# Altium PCB ALTAIR_PD_Soldier_V26.1a.PcbDoc (part 1 of 2) (continued)
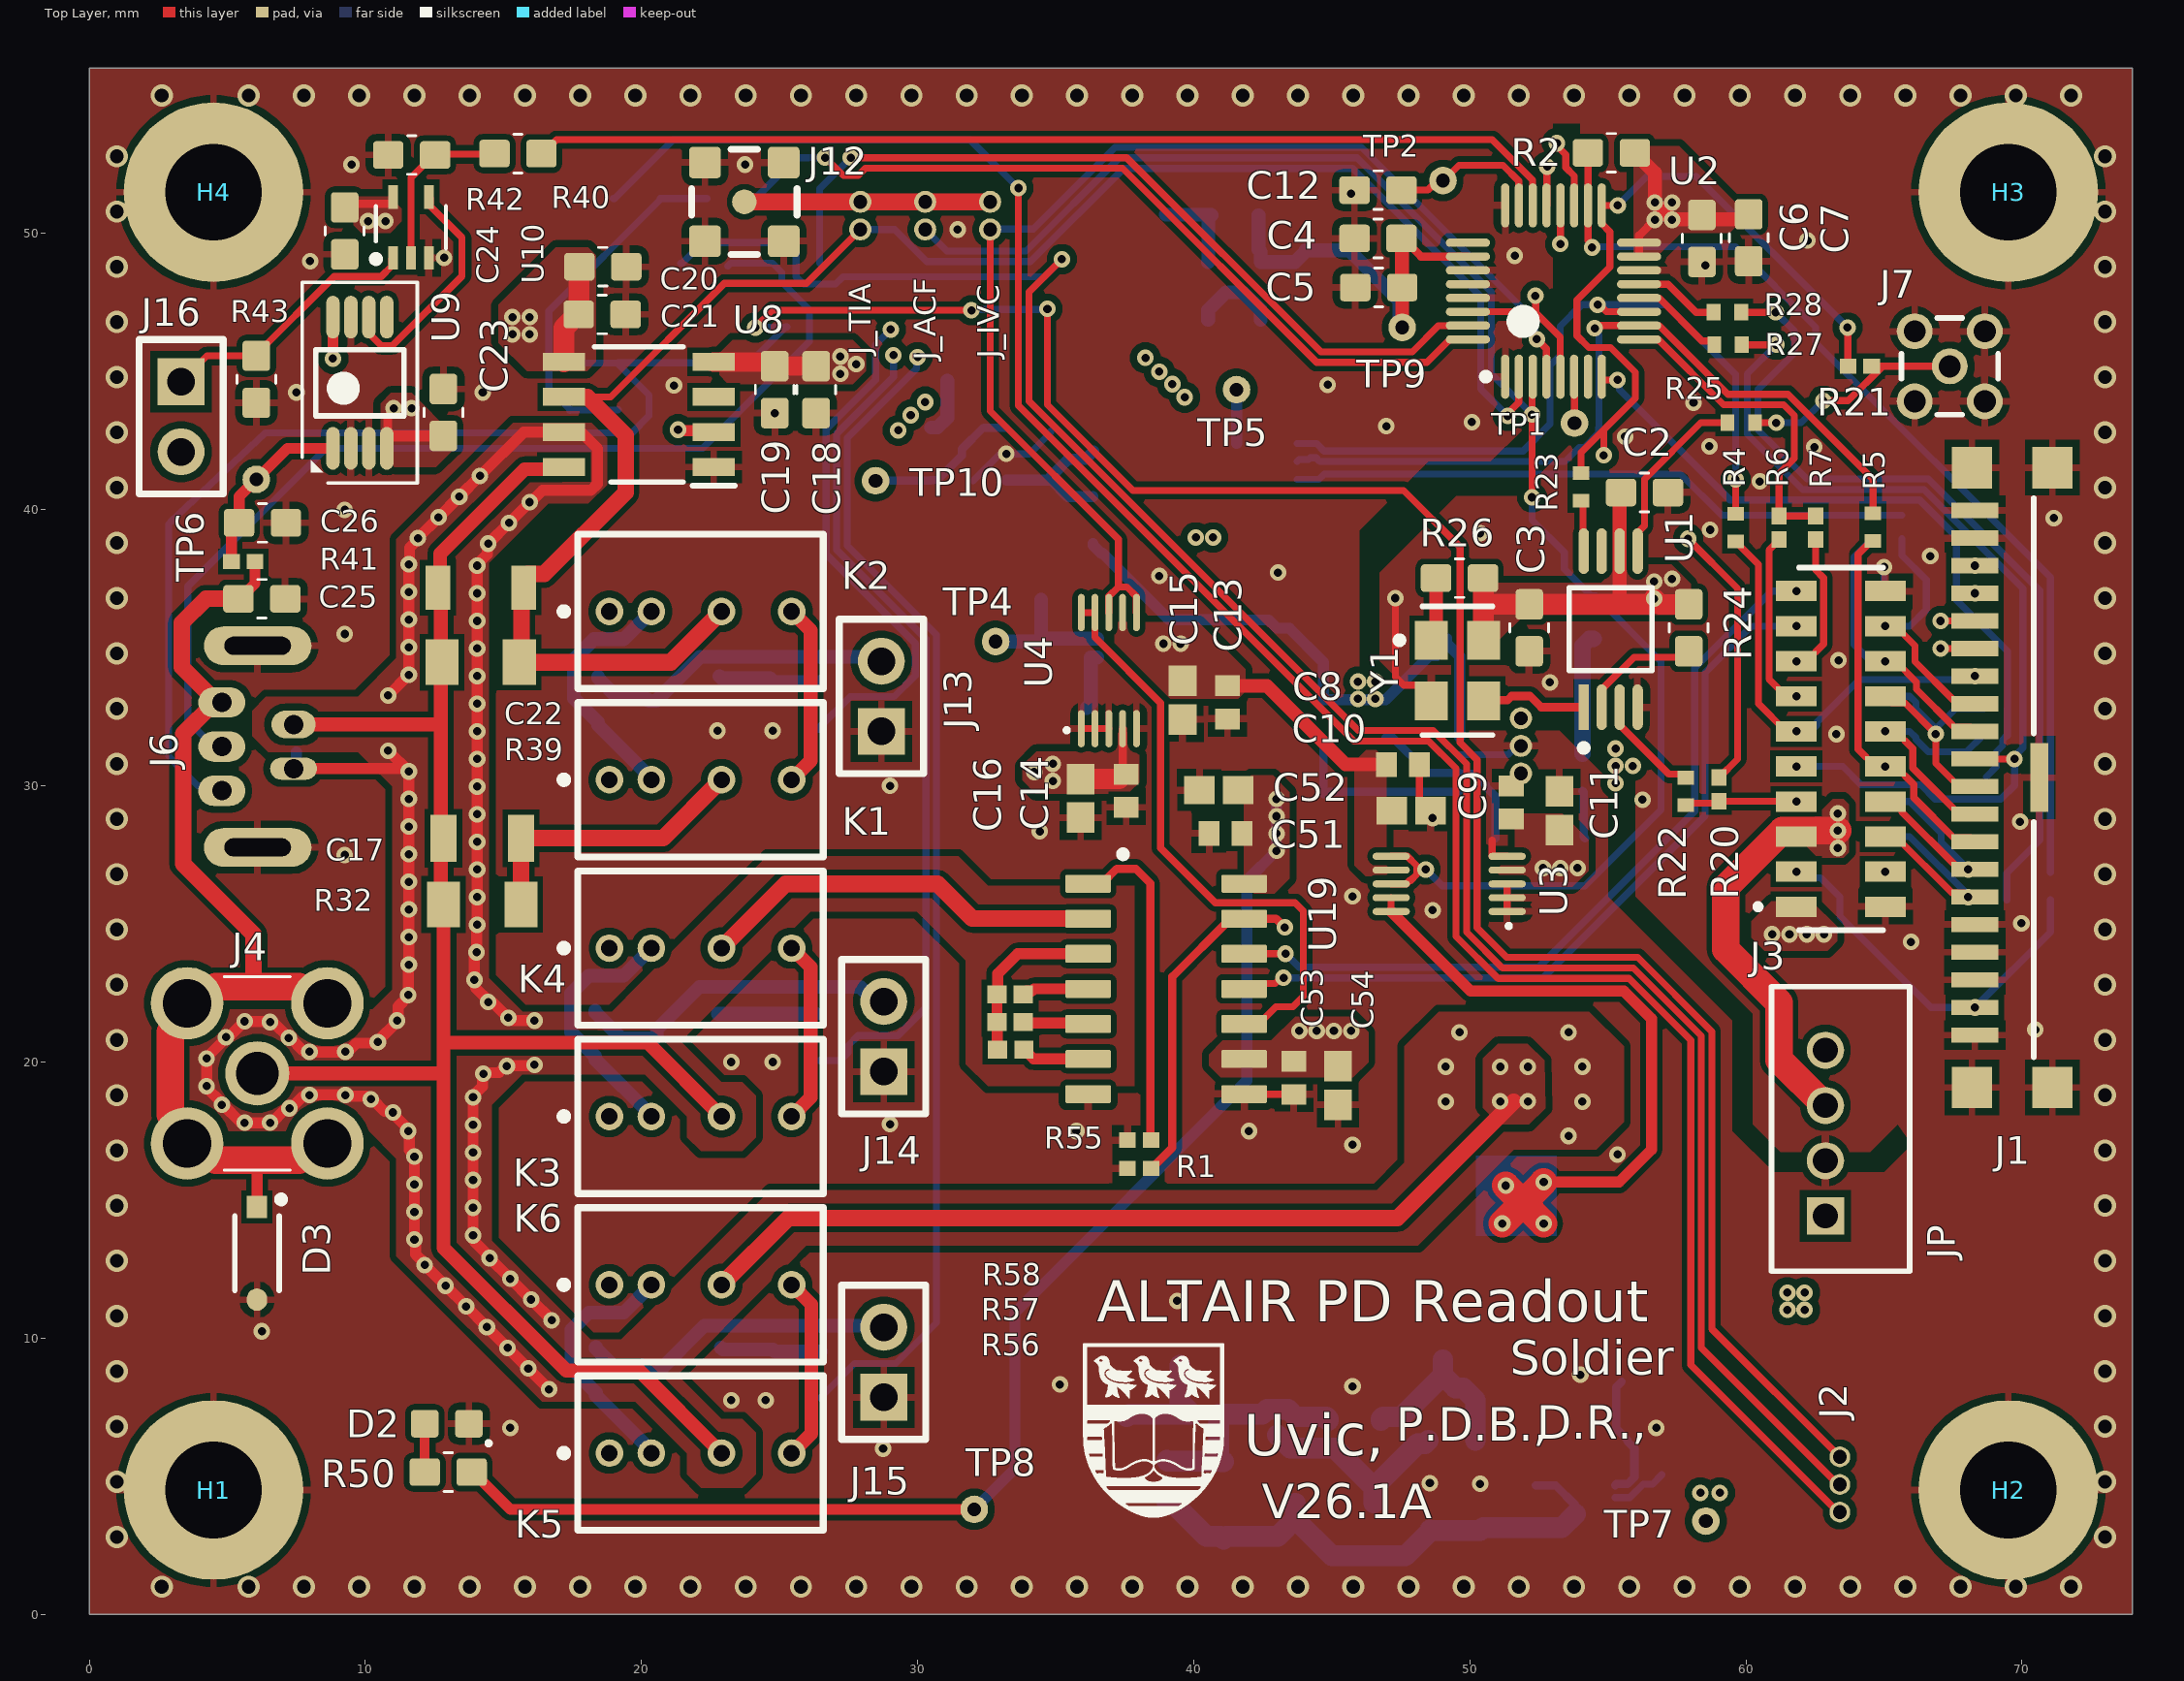
[diagram p0: Top Layer view]
## Components (designator, comment, footprint, x,y, rotation, side; value= is the part's Value field where it differs from the comment) (continued)
JP "440054-4" "HEADER MALE 4x1 2MM PITCH THT" 62.875,14.425 r270 top locked
K1 "118-A-5/2D" 118-A-5/2D 18.838,30.222 r0 top locked
K2 "118-A-5/2D" 118-A-5/2D 18.838,36.318 r0 top locked
K3 "118-A-5/2D" 118-A-5/2D 18.838,18.029 r0 top locked
K4 "118-A-5/2D" 118-A-5/2D 18.838,24.125 r0 top locked
K5 "118-A-5/2D" 118-A-5/2D 18.838,5.837 r0 top locked
K6 "118-A-5/2D" 118-A-5/2D 18.838,11.933 r0 top locked
L1 "10uH" "IND 1210 IPC LOW DENSITY" 50.45,9.225 r180 bottom
L2 "10uH" "IND 1210 IPC LOW DENSITY" 45.1,4.025 r180 bottom
NTC1 "NTC 0603 10K 1%" "RES 0603 IPC MID DENSITY" 17.4,44.45 r270 bottom locked value="NT 10K"
R1 "0R" "RES 0402 IPC MID DENSITY" 38.025,16.15 r0 top
R2 "10k" "RES 0603 IPC MID DENSITY" 55.125,52.925 r180 top
R3 "47R" "RES 0402 NON-IPC SEI" 71.025,26.375 r90 bottom
R4 "47R" "RES 0402 NON-IPC SEI" 59.625,39.35 r90 top
R5 "47R" "RES 0402 NON-IPC SEI" 64.6,39.375 r90 top
R6 "TBD OPT" "RES 0402 IPC MID DENSITY" 61.2,39.35 r90 top
R7 "TBD OPT" "RES 0402 IPC MID DENSITY" 62.525,39.35 r90 top
R8 "0R OPT" "RES 0603 IPC MID DENSITY" 19.825,51.275 r180 bottom
R9 "0R OPT" "RES 0603 IPC MID DENSITY" 22.275,48.925 r180 bottom
R10 "TBD OPT" "RES 0402 IPC MID DENSITY" 64.55,39.375 r90 bottom
R11 "0R OPT" "RES 0603 IPC MID DENSITY" 23.225,51.275 r180 bottom
R12 "0R OPT" "RES 0603 IPC MID DENSITY" 25.6,48.925 r180 bottom
R13 "TBD OPT" "RES 0402 IPC MID DENSITY" 65.65,39.375 r90 bottom
R14 "0R" "RES 0603 IPC MID DENSITY" 26.125,46.625 r0 bottom
R15 "0R OPT" "RES 0402 IPC MID DENSITY" 69.025,25.875 r0 bottom
R16 "0R OPT" "RES 0402 IPC MID DENSITY" 69.025,26.85 r0 bottom
R17 "TBD OPT" "RES 0402 IPC MID DENSITY" 69.025,31.825 r0 bottom
R18 "TBD OPT" "RES 0402 IPC MID DENSITY" 69.05,32.8 r0 bottom
R19 "0R DNP" "RES 0603 IPC MID DENSITY" 68.7,29.475 r270 bottom
R20 "0R B, C" "RES 0402 IPC MID DENSITY" 59.025,29.875 r270 top
R21 "0R A, B" "RES 0402 IPC MID DENSITY" 64.125,45.2 r180 top
R22 "33R" "RES 0402 NON-IPC YAGEO" 57.825,29.8 r90 top
R23 "33R" "RES 0402 NON-IPC YAGEO" 54.025,40.825 r270 top
R24 "10k" "RES 0603 IPC MID DENSITY" 57.925,35.725 r90 top
R25 "33R" "RES 0402 NON-IPC YAGEO" 59.825,43.15 r180 top
R26 "10k" "RES 0603 IPC MID DENSITY" 49.625,37.525 r0 top
R27 "47R" "RES 0402 NON-IPC SEI" 59.35,45.975 r0 top
R28 "47R" "RES 0402 NON-IPC SEI" 59.325,47.15 r0 top
R29 "0R" "RES 0603 IPC MID DENSITY" 18.425,33.1 r270 bottom
R30 "47R" "RES 0603 IPC MID DENSITY" 26.425,32.9 r270 bottom
R31 "100k" "RES 0603 IPC MID DENSITY" 24.8,32.9 r270 bottom
R32 "10k" "RES 1206 IPC MID DENSITY" 14.232,25.705 r0 top
R33 "0R" "RES 0603 IPC MID DENSITY" 18.325,21 r270 bottom
R34 "47R" "RES 0603 IPC MID DENSITY" 26.325,20.9 r270 bottom
R35 "100k" "RES 0603 IPC MID DENSITY" 24.65,20.9 r270 bottom
R36 "0R" "RES 0603 IPC MID DENSITY" 18.35,8.825 r270 bottom
R37 "47R" "RES 0603 IPC MID DENSITY" 26.5,8.675 r270 bottom
R38 "100k" "RES 0603 IPC MID DENSITY" 24.825,8.675 r270 bottom
R39 "1M" "RES 1206 IPC MID DENSITY" 14.175,34.475 r0 top
R40 "47R" "RES 0603 IPC MID DENSITY" 15.525,52.9 r0 top
R41 "TBD" "RES 0402 IPC MID DENSITY" 5.575,38.125 r0 top
R42 "100k" "RES 0603 IPC MID DENSITY" 11.675,52.85 r180 top
R43 "100k" "RES 0603 IPC MID DENSITY" 6.05,44.725 r270 top
R44 "29.4k" "RES 0805 IPC HIGH DENSITY" 39.025,4.825 r270 bottom
R45 "150k" "RES 0603 IPC MID DENSITY" 54.425,6.475 r180 bottom
R46 "1k" "RES 0402 IPC LOW DENSITY YAGEO" 40.425,7.25 r0 bottom
R47 "1k" "RES 1206 NON-IPC VISHAY" 37.575,8.475 r270 bottom
R48 "150k" "RES 0603 IPC MID DENSITY" 44.7,32.275 r90 bottom
R49 "TBD" "RES 0603 IPC MID DENSITY" 41.496,50.671 r0 bottom
R50 "330R" "RES 0603 IPC MID DENSITY" 13,5.15 r0 top
R51 "TBD" "RES 0603 IPC MID DENSITY" 38.146,50.696 r0 bottom
R52 "10k" "RES 0603 IPC MID DENSITY" 44.7,28.85 r90 bottom
R53 "75k" "RES 0603 IPC MID DENSITY" 50.075,28.1 r0 bottom
R54 "TBD" "RES 0603 IPC MID DENSITY" 53.325,28.1 r0 bottom
R55 "0R" "RES 0402 IPC MID DENSITY" 38.025,17.175 r180 top
R56 "CAP OPT" "RES 0402 IPC LOW DENSITY" 33.375,20.441 r0 top
R57 "CAP OPT" "RES 0402 IPC LOW DENSITY" 33.35,21.446 r0 top
R58 "CAP OPT" "RES 0402 IPC LOW DENSITY" 33.35,22.45 r0 top
R59 "50Meg" "RES 0603 IPC MID DENSITY" 36.35,39.625 r270 bottom
R60 "100Meg" "RES 0603 IPC MID DENSITY" 36.375,42.975 r270 bottom
TP1 "Testpoint" "TESTPOINT THT" 53.788,43.137 r90 top
TP2 "Testpoint" "TESTPOINT THT" 49.025,51.925 r90 top
TP4 "Testpoint" "TESTPOINT THT" 32.825,35.225 r90 top
TP5 "Testpoint" "TESTPOINT THT" 41.55,44.35 r90 top
TP6 "Testpoint" "TESTPOINT THT" 6.05,41.1 r90 top
TP7 "Testpoint" "TESTPOINT THT" 58.55,3.375 r90 top
TP8 "Testpoint" "TESTPOINT THT" 32.05,3.8 r90 top
TP9 "Testpoint" "TESTPOINT THT" 47.55,46.6 r90 top
TP10 "Testpoint" "TESTPOINT THT" 28.475,41.05 r90 top
U1 "LMK1C1103PWR" "8-TSSOP 0.65MM PITCH 4.4MM WIDTH IPC MID DENSITY" 55.1,35.675 r90 top
U2 "ADS124S08IPBSR" "32TQFP 7X7MM IPC LOW DENSITY" 53.029,47.921 r90 top locked
U3 "LT1991IMS#TRPBF" "10-SOP 0.5MM PITCH 3MM WIDTH IPC HIGH DENSITY" 49.25,26.45 r180 top
U4 "LT1991IMS#TRPBF" "10-SOP 0.5MM PITCH 3MM WIDTH IPC HIGH DENSITY" 36.925,34.175 r90 top
U5 "DMG2302UK" "SOT90-3 LOW DENSITY" 21.55,33.075 r180 bottom
U6 "DMG2302UK" "SOT90-3 LOW DENSITY" 21.5,20.85 r180 bottom
U7 "DMG2302UK" "SOT90-3 LOW DENSITY" 21.6,8.75 r180 bottom
U8 "OPA928DR" "8-SOIC 4MM WIDE MID DENSITY" 19.9,43.45 r180 top locked
U9 "ADG1419BRMZ-REEL7" "8-TSOP 0.65MM PITCH 3MM WIDTH IPC LOW DENSITY" 9.8,44.6 r90 top
U10 "SN74LVC1G32DCKR" "SOT353-5 NON-IPC CUSTOM" 11.65,50.225 r90 top
U11 "LT3094EDD#PBF" "12DFN 3x3MM EP IPC MID DENSITY" 53.825,4 r0 bottom
U12 "LM2611AMF/NOPB" "SOT23-5 MID DENSITY" 45.825,8.4 r90 bottom
U13 "LT3045" "12-TSOP 0.65MM PITCH 3MM WIDTH EP IPC MID DENSITY" 51.85,31.45 r180 bottom
U14 "ADP7142AUJZ-R7" "SOT23-5 HIGH DENSITY AD" 41.471,47.921 r90 bottom
U15 "OPA182" "SOT23-5 NON-IPC TI" 31.85,42.025 r180 bottom
U16 "REF5050" "8-TSOP 0.65MM PITCH 3MM WIDTH IPC MID DENSITY" 38.725,35.675 r180 bottom
U17 "DAC5311" "SOT363-6 MID DENSITY" 42.65,41.75 r180 bottom
U19 "IVC102/SO" "14-SOIC 4MM WIDE LOW DENSITY" 39,22.65 r0 top
Y1 "SIT1602Bx" "4PQFN NON-IPC SITIME" 49.55,34.175 r0 top

## Footprints (in the part's own frame and the unit in brackets; to place one, negate y for a bottom-side part, rotate by r counter-clockwise, add the part's x,y. Pads: shape width x height; smd on the part's side, far side on the other; paste and mask are expansions set on the pad)
"4PQFN NON-IPC SITIME" [mm] "FP-SiT1602-2-MFG"
  rect 1.2x1.4 smd paste+0 mask+0: 1(-0.95,1.1) 2(-0.95,-1.1) 3(0.95,-1.1) 4(0.95,1.1)
  silkscreen extent -2.22,-2.34 1.28,2.32, body extent -1.65,-1.9 1.65,1.9, height 0.25
"8-SOIC 4MM WIDE MID DENSITY" [mm]
  rect 1.525x0.65 smd: 1(-2.712,1.905) 2(-2.712,0.635) 3(-2.712,-0.635) 4(-2.712,-1.905) 5(2.712,-1.905) 6(2.712,-0.635) 7(2.712,0.635) 8(2.712,1.905)
  silkscreen extent -3.47,-2.45 1.6,2.58, body extent -3,-2.45 3,2.45, height 1.75
"8-TSOP 0.65MM PITCH 3MM WIDTH IPC LOW DENSITY" [mm] "TSOP65P490X110-8M"
  oval 1.55x0.48 smd mask-0.05: 1(-2.375,0.975) 2(-2.375,0.325) 3(-2.375,-0.325) 4(-2.375,-0.975) 5(2.375,-0.975) 6(2.375,-0.325) 7(2.375,0.325) 8(2.375,0.975)
  silkscreen extent -3.63,-2.08 3.63,2.08, body extent -2.45,-1.6 2.45,1.6, height 1.1
"8-TSOP 0.65MM PITCH 3MM WIDTH IPC MID DENSITY" [mm] "TSOP65P490X110-8N"
  oval 1.35x0.5 smd mask-0.02: 1(-2.225,1.025) 2(-2.225,0.345) 3(-2.225,-0.345) 4(-2.225,-1.025) 5(2.225,-1.025) 6(2.225,-0.345) 7(2.225,0.345) 8(2.225,1.025)
  silkscreen extent -3.15,-1.8 3.15,1.8, body extent -2.45,-1.55 2.45,1.55, height 1.1
"8-TSSOP 0.65MM PITCH 4.4MM WIDTH IPC MID DENSITY" [mm] "FP-PW0008A-IPC_B, Texas Instruments branding"
  rect 1.655x0.381 smd paste+0 mask+0: 1(-2.825,0.975)
  rrect100% 1.655x0.381 smd paste+0 mask+0: 2(-2.825,0.325) 3(-2.825,-0.325) 4(-2.825,-0.975) 5(2.825,-0.975) 6(2.825,-0.325) 7(2.825,0.325) 8(2.825,0.975)
  silkscreen extent -4.42,-1.5 1.5,1.5, body extent -3.9,-1.75 3.9,1.75, height 0.25
"10-SOP 0.5MM PITCH 3MM WIDTH IPC HIGH DENSITY" [mm] "SOP, 10-Leads, Body 3x3mm, Pitch 0.50mm, IPC High Density"
  oval 1.35x0.25 smd: 1(-2.1,1) 2(-2.1,0.5) 3(-2.1,0) 4(-2.1,-0.5) 5(-2.1,-1) 6(2.1,-1) 7(2.1,-0.5) 8(2.1,0) 9(2.1,0.5) 10(2.1,1)
  silkscreen extent -2.23,1.45 -2.08,1.6, body extent -1.55,-1.55 1.55,1.55, height 1.1
"12-TSOP 0.65MM PITCH 3MM WIDTH EP IPC MID DENSITY" [mm] "TSOP65P490X110_HS-13N"
  oval 1.35x0.5 smd mask-0.03: 1(-2.225,1.625) 2(-2.225,0.975) 3(-2.225,0.325) 4(-2.225,-0.325) 5(-2.225,-0.975) 6(-2.225,-1.625) 7(2.225,-1.625) 8(2.225,-0.975) 9(2.225,-0.325) 10(2.225,0.325) 11(2.225,0.975) 12(2.225,1.625)
  round 0.8 hole 0.5 mask-0.03: 13(0,-1) 13(0,0) 13(0,1)
  rect 1.76x2.95 smd: 13(0,0)
  silkscreen extent -3.15,-2.34 3.15,2.38, body extent -2.45,-2.05 2.45,2.05, height 1.1
"12DFN 3x3MM EP IPC MID DENSITY" [mm] "Exposed pad, Analog Devices logo"
  rect 0.831x0.222 smd paste+0 mask+0: 1(-1.441,1.125)
  rrect100% 0.831x0.222 smd paste+0 mask+0: 2(-1.441,0.675) 3(-1.441,0.225) 4(-1.441,-0.225) 5(-1.441,-0.675) 6(-1.441,-1.125) 7(1.441,-1.125) 8(1.441,-0.675) 9(1.441,-0.225) 10(1.441,0.225) 11(1.441,0.675) 12(1.441,1.125)
  rect 1.75x2.48 smd paste-1000 mask-0.05: 13(0,0)
  silkscreen extent -2.53,1 -2.28,1.25, body extent -1.5,-1.5 1.5,1.5, height 0.8
"14-SOIC 4MM WIDE LOW DENSITY" [mm]
  rrect15% 1.65x0.65 smd: 1(-2.825,3.81) 2(-2.825,2.54) 3(-2.825,1.27) 4(-2.825,0) 5(-2.825,-1.27) 6(-2.825,-2.54) 7(-2.825,-3.81) 8(2.825,-3.81) 9(2.825,-2.54) 10(2.825,-1.27) 11(2.825,0) 12(2.825,1.27) 13(2.825,2.54) 14(2.825,3.81)
  silkscreen extent -1.69,4.75 -1.44,5, body extent -3.02,-4.32 3.02,4.32, height 1.59
"32TQFP 7X7MM IPC LOW DENSITY" [mm] "TSQFP50P700X700X120-32M"
  oval 1.6x0.3 smd mask-0.035: 1(-3.1,1.75) 2(-3.1,1.25) 3(-3.1,0.75) 4(-3.1,0.25) 5(-3.1,-0.25) 6(-3.1,-0.75) 7(-3.1,-1.25) 8(-3.1,-1.75) 17(3.1,-1.75) 18(3.1,-1.25) 19(3.1,-0.75) 20(3.1,-0.25) 21(3.1,0.25) 22(3.1,0.75) 23(3.1,1.25) 24(3.1,1.75)
  oval 0.3x1.6 smd mask-0.035: 9(-1.75,-3.1) 10(-1.25,-3.1) 11(-0.75,-3.1) 12(-0.25,-3.1) 13(0.25,-3.1) 14(0.75,-3.1) 15(1.25,-3.1) 16(1.75,-3.1) 25(1.75,3.1) 26(1.25,3.1) 27(0.75,3.1) 28(0.25,3.1) 29(-0.25,3.1) 30(-0.75,3.1) 31(-1.25,3.1) 32(-1.75,3.1)
  silkscreen extent -3.22,0.8 -0.8,2.57, body extent -3.5,-3.5 3.5,3.5, height 1.2
118-A-5/2D [mm]
  round 1 hole 0.6: 1(0,0) 2(1.52,0) 3(4.06,0) 4(6.6,0)
  silkscreen extent -1.78,-2.79 7.75,2.79, body extent -0.76,-2.4 7.37,2.4, height 14.73
"CAP 0603 IPC MID DENSITY" [mm]
  rrect25% 1.1x1 smd: 1(-0.85,0) 2(0.85,0)
  silkscreen extent -0.15,-0.7 0.15,0.7, body extent -0.8,-0.4 0.8,0.4, height 0.3
"CAP 0603 IPC MID DENSITY MURATA" [mm]
  rect 1.105x1.006 smd paste+0 mask+0: 1(-0.701,0) 2(0.701,0)
  body extent -1.5,-0.75 1.5,0.75, height 0.25
"CAP 0603 NON-IPC KEMET X7R" [mm]
  rect 0.75x0.9 smd paste+0 mask+0: 1(-0.6,0) 2(0.6,0)
  body extent -1.2,-0.6 1.2,0.6, height 0.25
"CAP 0805 NON-IPC KEMET X5R" [mm]
  rect 0.95x1.35 smd paste+0 mask+0: 1(-0.75,0) 2(0.75,0)
  silkscreen extent -1.1,-1.05 1.1,1.05, body extent -1,-0.63 1,0.63, height 1.4
"CAP 1206 IPC LOW DENSITY" [mm]
  rrect25% 1.1x1.6 smd: 1(-1.55,0) 2(1.55,0)
  silkscreen extent -2.67,-1.17 2.67,1.17, body extent -1.7,-0.9 1.7,0.9, height 1.8
"CAP 1206 NON-IPC KEMET NP0" [mm]
  rect 0.95x1.7 smd paste+0 mask+0: 1(-1.4,0) 2(1.4,0)
  body extent -2,-1 2,1, height 0.25
"CAP 1206 UNKNOWN" [mm] "Ceramic Capacitors, body 3.2x1.6mm, WCAP-CSGP_1206_L3.2W1.6H0.8"
  rect 0.9x1.6 smd: 1(-1.55,0) 2(1.55,0)
  body extent -1.6,-0.8 1.6,0.8, height 0.8
"COAX MMCX SMD" [mm] "50Ohm, female jack"
  round 0.89 smd: 1(0,0)
  rrect25% 1.15x1.15 smd: 2(-1.425,-1.425) 2(-1.425,1.425) 2(1.425,-1.425) 2(1.425,1.425)
  silkscreen extent -1.91,-1.91 1.91,1.91, body extent -1.73,-1.73 1.73,1.73, height 5
"COAX MMCX THT" [mm] "50Ohm, 6GHz max, female jack, Wurth Elektronik 66012002111503"
  round 1.3 hole 0.8: 1(0,0) 2(-1.27,1.27) 3(1.27,1.27) 4(1.27,-1.27) 5(-1.27,-1.27)
  silkscreen extent -1.75,-1.75 1.75,1.75, body extent -1.75,-1.75 1.75,1.75, height 4.5
"COAX SMA THT" [mm] "50Ohm, 18GHz max, female jack, Wurth Elektronik 60312002114503"
  round 2.325 hole 1.55: 1(0,0)
  round 2.625 hole 1.75: 2(-2.54,-2.54) 3(-2.54,2.54) 4(2.54,-2.54) 5(2.54,2.54)
  silkscreen extent -1.2,-3.5 1.2,3.5, body extent -3.5,-3.5 3.5,3.5, height 10.19
"HEADER FEMALE 10X2 1.27MM PITCH SMD" [mil]
  rect 29x58 smd: 01(225,-63.5) 02(225,63.5) 03(175,-63.5) 04(175,63.5) 05(125,-63.5) 06(125,63.5) 07(75,-63.5) 08(75,63.5) 09(25,-63.5) 10(25,63.5) 11(-25,-63.5) 12(-25,63.5) 13(-75,-63.5) 14(-75,63.5) 15(-125,-63.5) 16(-125,63.5) 17(-175,-63.5) 18(-175,63.5) 19(-225,-63.5) 20(-225,63.5)
  silkscreen extent -258,-122 259,60, body extent -258,-85 259,85, height 94
"HEADER MALE 4x1 2MM PITCH THT" [mm]
  rect 1.35x1.35 hole 0.9: 1(0,0)
  round 1.35 hole 0.9: 2(-2,0) 3(-4,0) 4(-6,0)
  silkscreen extent -8.3,-1.95 2,3.05, body extent -7.95,-1.6 2.05,3.1, height 6.05
"HEADER MALE 10X2 1.2MM PITCH SMD" [mm]
  rrect25% 2.12x0.7 smd: 1(0,0) 2(3.58,0) 3(0,-1.27) 4(3.58,-1.27) 5(0,-2.54) 6(3.58,-2.54) 7(0,-3.81) 8(3.58,-3.81) 9(0,-5.08) 10(3.58,-5.08) 11(0,-6.35) 12(3.58,-6.35) 13(0,-7.62) 14(3.58,-7.62) 15(0,-8.89) 16(3.58,-8.89) 17(0,-10.16) 18(3.58,-10.16) 19(0,-11.43) 20(3.58,-11.43)
  silkscreen extent -1.38,-12.27 5,0.8, body extent -0.4,-12.07 4.1,0.63, height 3.41
"HEADER MALE 20x1 1MM PITCH SMD" [mm]
  rect 0.55x1.7 smd: 1(-9.675,-1.35) 2(-8.675,-1.35) 3(-7.675,-1.35) 4(-6.675,-1.35) 5(-5.675,-1.35) 6(-4.675,-1.35) 7(-3.675,-1.35) 8(-2.675,-1.35) 9(-1.675,-1.35) 10(-0.675,-1.35) 11(0.325,-1.35) 12(1.325,-1.35) 13(2.325,-1.35) 14(3.325,-1.35) 15(4.325,-1.35) 16(5.325,-1.35) 17(6.325,-1.35) 18(7.325,-1.35) 19(8.325,-1.35) 20(9.325,-1.35)
  rect 1.5x1.45 smd: MP1(-11.225,-1.455) MP2(11.225,-1.455) MP3(-11.225,1.455) MP5(11.225,1.455)
  rect 2.5x0.65 smd: MP4(0,0.975)
  silkscreen extent -10.13,0.78 10.13,0.78, body extent -11.95,-1.91 11.95,1.89, height 5.22
"IND 1210 IPC LOW DENSITY" [mm] "Taiyo Yuden branding on 3D body"
  rect 1.654x2.806 smd paste+0 mask+0: 1(-1.426,0) 2(1.426,0)
  silkscreen extent -0.25,-1.4 0.25,1.4, body extent -1.6,-1.25 1.6,1.25, height 2.7
"JUMPER 2POS 1MM PITCH THT" [mm] "GCT BC020-02-A-0200-0300-L-G"
  round 0.8 hole 0.5: 1(0,0) 2(1,0)
  body extent -0.5,-0.64 1.5,0.64, height 3
"JUMPER 2POS 2.54MM PITCH THT" [mm]
  rect 1.7x1.7 hole 1: 1(0,0)
  round 1.7 hole 1: 2(2.54,0)
  silkscreen extent -1.52,-1.52 4.06,1.52, body extent -1.27,-1.27 3.81,1.27, height 8.38
"JUMPER 3POS 1MM PITCH THT" [mm] "GCT BC020-03-A-0200-0300-L-G"
  round 0.75 hole 0.5: 1(-1,0) 2(0,0) 3(1,0)
  body extent -1.5,-0.64 1.5,0.64, height 4.3
"LED 0603 MID DENSITY" [mm]
  rrect25% 1x1 smd: 1(0.8,0) 2(-0.8,0)
  silkscreen extent 1.46,-0.76 1.56,-0.66, body extent -0.8,-0.4 0.8,0.4, height 0.7
"M3 PTH FOR 4.5MM HEX" [mm] "M3 plated through hole; oversized for 4.5mm hex standoffs"
  round 6.5 hole 3.5: 1(0,0)
"POGO PINS 1x2 SMD 50MIL PITCH" [mm] "8542200230004101"
  round 0.94 smd: 1(-0.635,0) 2(0.635,0)
  silkscreen extent -1.46,-1.8 1.46,1.11, body extent -1.46,-1.1 1.46,1.11, height 4.22
"Pogo_pad 2X2" [mil] "Created by turning the 1x2 footprint into a square. Electrically there is only one pad for all the pins."
  round 1 smd: 1(0,0)
  Top Layer region: 57.09,-57.09 57.09,57.09 -57.09,57.09 -57.09,-57.09
"RES 0402 IPC LOW DENSITY" [mm]
  rect 0.7x0.65 smd: 1(-0.475,0) 2(0.475,0)
  body extent -0.53,-0.27 0.53,0.28, height 0.4
"RES 0402 IPC LOW DENSITY YAGEO" [mm]
  rect 0.715x0.672 smd paste+0 mask+0: 1(-0.479,0) 2(0.479,0)
  silkscreen extent -0.84,-0.74 0.84,0.74, body extent -0.5,-0.25 0.5,0.25, height 0.4
"RES 0402 IPC MID DENSITY" [mm] "Chip Resistor, 2-Leads, Body 1.00x0.50mm, IPC Medium Density"
  rect 0.6x0.55 smd: 1(-0.425,0) 2(0.425,0)
  body extent -0.53,-0.27 0.53,0.28, height 0.4
"RES 0402 NON-IPC SEI" [mm]
  rect 0.5x0.6 smd paste+0 mask+0: 1(-0.5,0) 2(0.5,0)
  body extent -0.5,-0.25 0.5,0.25, height 0.4
"RES 0402 NON-IPC YAGEO" [mm]
  rect 0.5x0.6 smd paste+0 mask+0: 1(-0.5,0) 2(0.5,0)
  body extent -0.85,-0.4 0.85,0.4, height 0.25
"RES 0603 IPC MID DENSITY" [mm]
  rrect25% 1.1x1 smd: 1(-0.85,0) 2(0.85,0)
  silkscreen extent -0.15,-0.7 0.15,0.7, body extent -0.77,-0.43 0.78,0.43, height 0.44
"RES 0805 IPC HIGH DENSITY" [mm] "Chip Resistor, 2-Leads, Body 2.00x1.25mm, IPC High Density"
  rect 1x1.35 smd: 1(-0.75,0) 2(0.75,0)
  body extent -1.1,-0.72 1.1,0.72, height 0.6
"RES 1206 IPC MID DENSITY" [mm] "Chip Resistor, 2-Leads, Body 3.13x1.55mm, IPC Medium Density"
  rect 1.2x1.65 smd: 1(-1.4,0) 2(1.4,0)
  body extent -1.6,-0.8 1.6,0.8, height 0.6
"RES 1206 NON-IPC VISHAY" [mm]
  rect 1.15x1.75 smd paste+0 mask+0: 1(-1.325,0) 2(1.325,0)
  silkscreen extent -0.38,-0.87 0.38,0.87, body extent -1.6,-0.8 1.6,0.8, height 0.65
"SOD-123 ONSEMI SMALL PADS" [mm]
  rect 0.808x0.742 smd paste+0 mask+0: 1(-1.68,0)
  rrect100% 0.808x0.742 smd paste+0 mask+0: 2(1.68,0)
  silkscreen extent -2.07,-0.8 1.35,1, body extent -1.84,-0.8 1.84,0.8, height 1.35
"SOT23-5 HIGH DENSITY AD" [mm] "FP-UJ-5-IPC_C"
  rect 1.254x0.532 smd paste+0 mask+0: 1(-1.05,0.95)
  rrect100% 1.254x0.532 smd paste+0 mask+0: 2(-1.05,0) 3(-1.05,-0.95) 4(1.05,-0.95) 5(1.05,0.95)
  silkscreen extent -1.4,-1.7 1.4,1.75, body extent -1.4,-1.45 1.4,1.45, height 1
"SOT23-5 MID DENSITY" [mm] "SOT23, 5-Leads, Body 3.05x1.75mm, Pitch 0.95mm, IPC Medium Density"
  rrect17% 1x0.6 smd: 1(-1.375,0.95) 2(-1.375,0) 3(-1.375,-0.95) 4(1.375,-0.95) 5(1.375,0.95)
  silkscreen extent -1.5,-1.55 0.5,1.93, body extent -1.42,-1.46 1.42,1.46, height 1.08
"SOT23-5 NON-IPC TI" [mil] "SOT-23-5_DBV_TEX"
  rect 38.5x20 smd paste+0 mask+0: 1(-53.75,37.4) 2(-53.75,0) 3(-53.75,-37.4) 4(53.75,-37.4) 5(53.75,37.4)
  silkscreen extent -40,-65 40,65, body extent -59,-60 59,60, height 43
"SOT90-3 LOW DENSITY" [mm] "SOT90P240X110-3M"
  rrect25% 1.15x0.65 smd: 1(-1.275,0.9) 2(-1.275,-0.9) 3(1.275,0)
  silkscreen extent -2.18,-1.83 2.16,1.8, body extent -1.25,-1.5 1.25,1.5, height 1.1
"SOT353-5 NON-IPC CUSTOM" [mm] "SC70 5-pin"
  rect 0.85x0.35 smd mask+0.05: 1(-1.1,0.65) 2(-1.1,0) 3(-1.1,-0.65) 4(1.1,-0.65) 5(1.1,0.65)
  silkscreen extent -1.27,-1.27 0.76,1.4, body extent -1.05,-1 1.05,1, height 1
"SOT363-6 MID DENSITY" [mm] "Technically non-IPC, adapted from TI datasheet for SOTx311 chips"
  rect 0.9x0.4 smd paste+0 mask+0: 1(-1.1,0.65)
  rrect25% 0.9x0.4 smd paste+0 mask+0: 2(-1.1,0) 3(-1.1,-0.65) 4(1.1,-0.65) 5(1.1,0) 6(1.1,0.65)
  silkscreen extent -1.18,-1.22 0.7,1.32, body extent -1.05,-1 1.05,1, height 1
"TESTPOINT THT" [mm]
  round 1 hole 0.5: 1(0,0)
USB-miniB [mm]
  oval 1.1x1.7 hole 0.7: 1(1.6,1.3) 3(0,1.3) 5(-1.6,1.3)
  oval 1x1.6 hole 0.7: 2(0.8,-1.3)
  oval 0.8x1.7 hole 0.7: 4(-0.8,-1.3)
  oval 1.4x3.9 hole 0.65 slot 2.4 at 90 deg: 6(-3.65,0) 6(3.65,0)
  body extent -4.15,-2.4 4.15,2.3, height 7.9

## Part data
C1 C2 C3 C4 C5 C6 C7 C8 C9 C10 C11 C12 C13 C14 C15 C16 C17 C18 C19 C20 C21 C22 C23 C24 C25 C26 C27 C28 C29 C30 C31 C32 C33 C34 C35 C36 C37 C38 C39 C40 C41 C42 C43 C44 C45 C46 C47 C48 C49 C50 C51 C52 C53 C54: library part CAP, "Cap, Nonpolar, Any, Must choose footprint manually"
D1: library part Schottky, "DIODE SCHOTTKY 20V 500MA SOD123", Average Rectified Current=500mA, Case/Package=SOD-123-2, Forward Voltage=385mV, Max Forward Surge Current (Ifsm)=5.5A, Max Operating Temperature=125°C, Max Repetitive Reverse Voltage (Vrrm)=20V, Max Reverse Leakage Current=250uA, Min Operating Temperature=-65°C, Package Quantity=3000, Contact Plating=Tin, Current Rating=500mA, Element Configuration=Single, Forward Current=500mA, Height=1.12mm, Lead Free="Lead Free", Length=2.69mm, Max Reverse Voltage (DC)=20V, Max Surge Current=5.5A, Number of Pins=2, Output Current=500mA, Packaging="Tape and Reel", Peak Non-Repetitive Surge Current=5.5A, Peak Reverse Current=250uA, Polarity=Standard, Radiation Hardening=No, REACH SVHC="No SVHC", Termination=SMD/SMT, Voltage Rating (DC)=20V, Width=1.6mm
D2: library part LED-blue, "LED BLUE CLEAR 0603 SMD", Case Code (Imperial)=0603, Case Code (Metric)=1608, Color=Blue, Forward Current=30mA, Forward Voltage=3.2V, Manufacturer 1="Wurth Electronics", Manufacturer Part Number 1=150060BS75000, Max Operating Temperature=85°C, Min Operating Temperature=-40°C, Package Quantity=4000, Supplier Part Number 1=732-4966-1-ND, Test Current=20mA, Case/Package=0603, Category=LEDs, ComponentLink1Description=https://datasheet.ciiva.com/29563/150060bs75000-29563034.pdf?src-supplier=Digi-Key, ComponentLink1URL=https://datasheet.ciiva.com/29563/150060bs75000-29563034.pdf?src-supplier=Digi-Key, ComponentLink2Description=https://datasheet.ciiva.com/29279/759426-da-01-en-chipled-0603-w-kl-blau-150060bs75000-29279193.pdf?src-supplier=Conrad, ComponentLink2URL=https://datasheet.ciiva.com/29279/759426-da-01-en-chipled-0603-w-kl-blau-150060bs75000-29279193.pdf?src-supplier=Conrad, ComponentLink3Description=https://datasheet.ciiva.com/29563/150060bs75000-29563035.pdf?src-supplier=Digi-Key, ComponentLink3URL=https://datasheet.ciiva.com/29563/150060bs75000-29563035.pdf?src-supplier=Digi-Key, ComponentLink4Description=https://datasheet.ciiva.com/29563/150060bs75000-29563036.pdf?src-supplier=Digi-Key, ComponentLink4URL=https://datasheet.ciiva.com/29563/150060bs75000-29563036.pdf?src-supplier=Digi-Key, ComponentLink5Description=https://datasheet.ciiva.com/22656/1911343-22656939.pdf?src-supplier=Element14, ComponentLink5URL=https://datasheet.ciiva.com/22656/1911343-22656939.pdf?src-supplier=Element14, ComponentLink6Description=https://datasheet.ciiva.com/48430/150060bs75000-eng-tds-48430039.pdf?src-supplier=Distrelec, ComponentLink6URL=https://datasheet.ciiva.com/48430/150060bs75000-eng-tds-48430039.pdf?src-supplier=Distrelec, Dominant Wavelength=470nm, Height=0.7mm, Length=1.6mm, Lens Style=Clear,Rectangular, Luminous Intensity=145mcd, Mount="Surface Mount", Packaging="Cut Tape", REACH SVHC=Unknown, RoHS=Yes, Stock 1=66561, Supplier 1=Digi-Key, Viewing Angle=140°, Wavelength=470nm, Width=0.8mm